# Altium PCB PCB.PcbDoc (part 1 of 2) (continued)
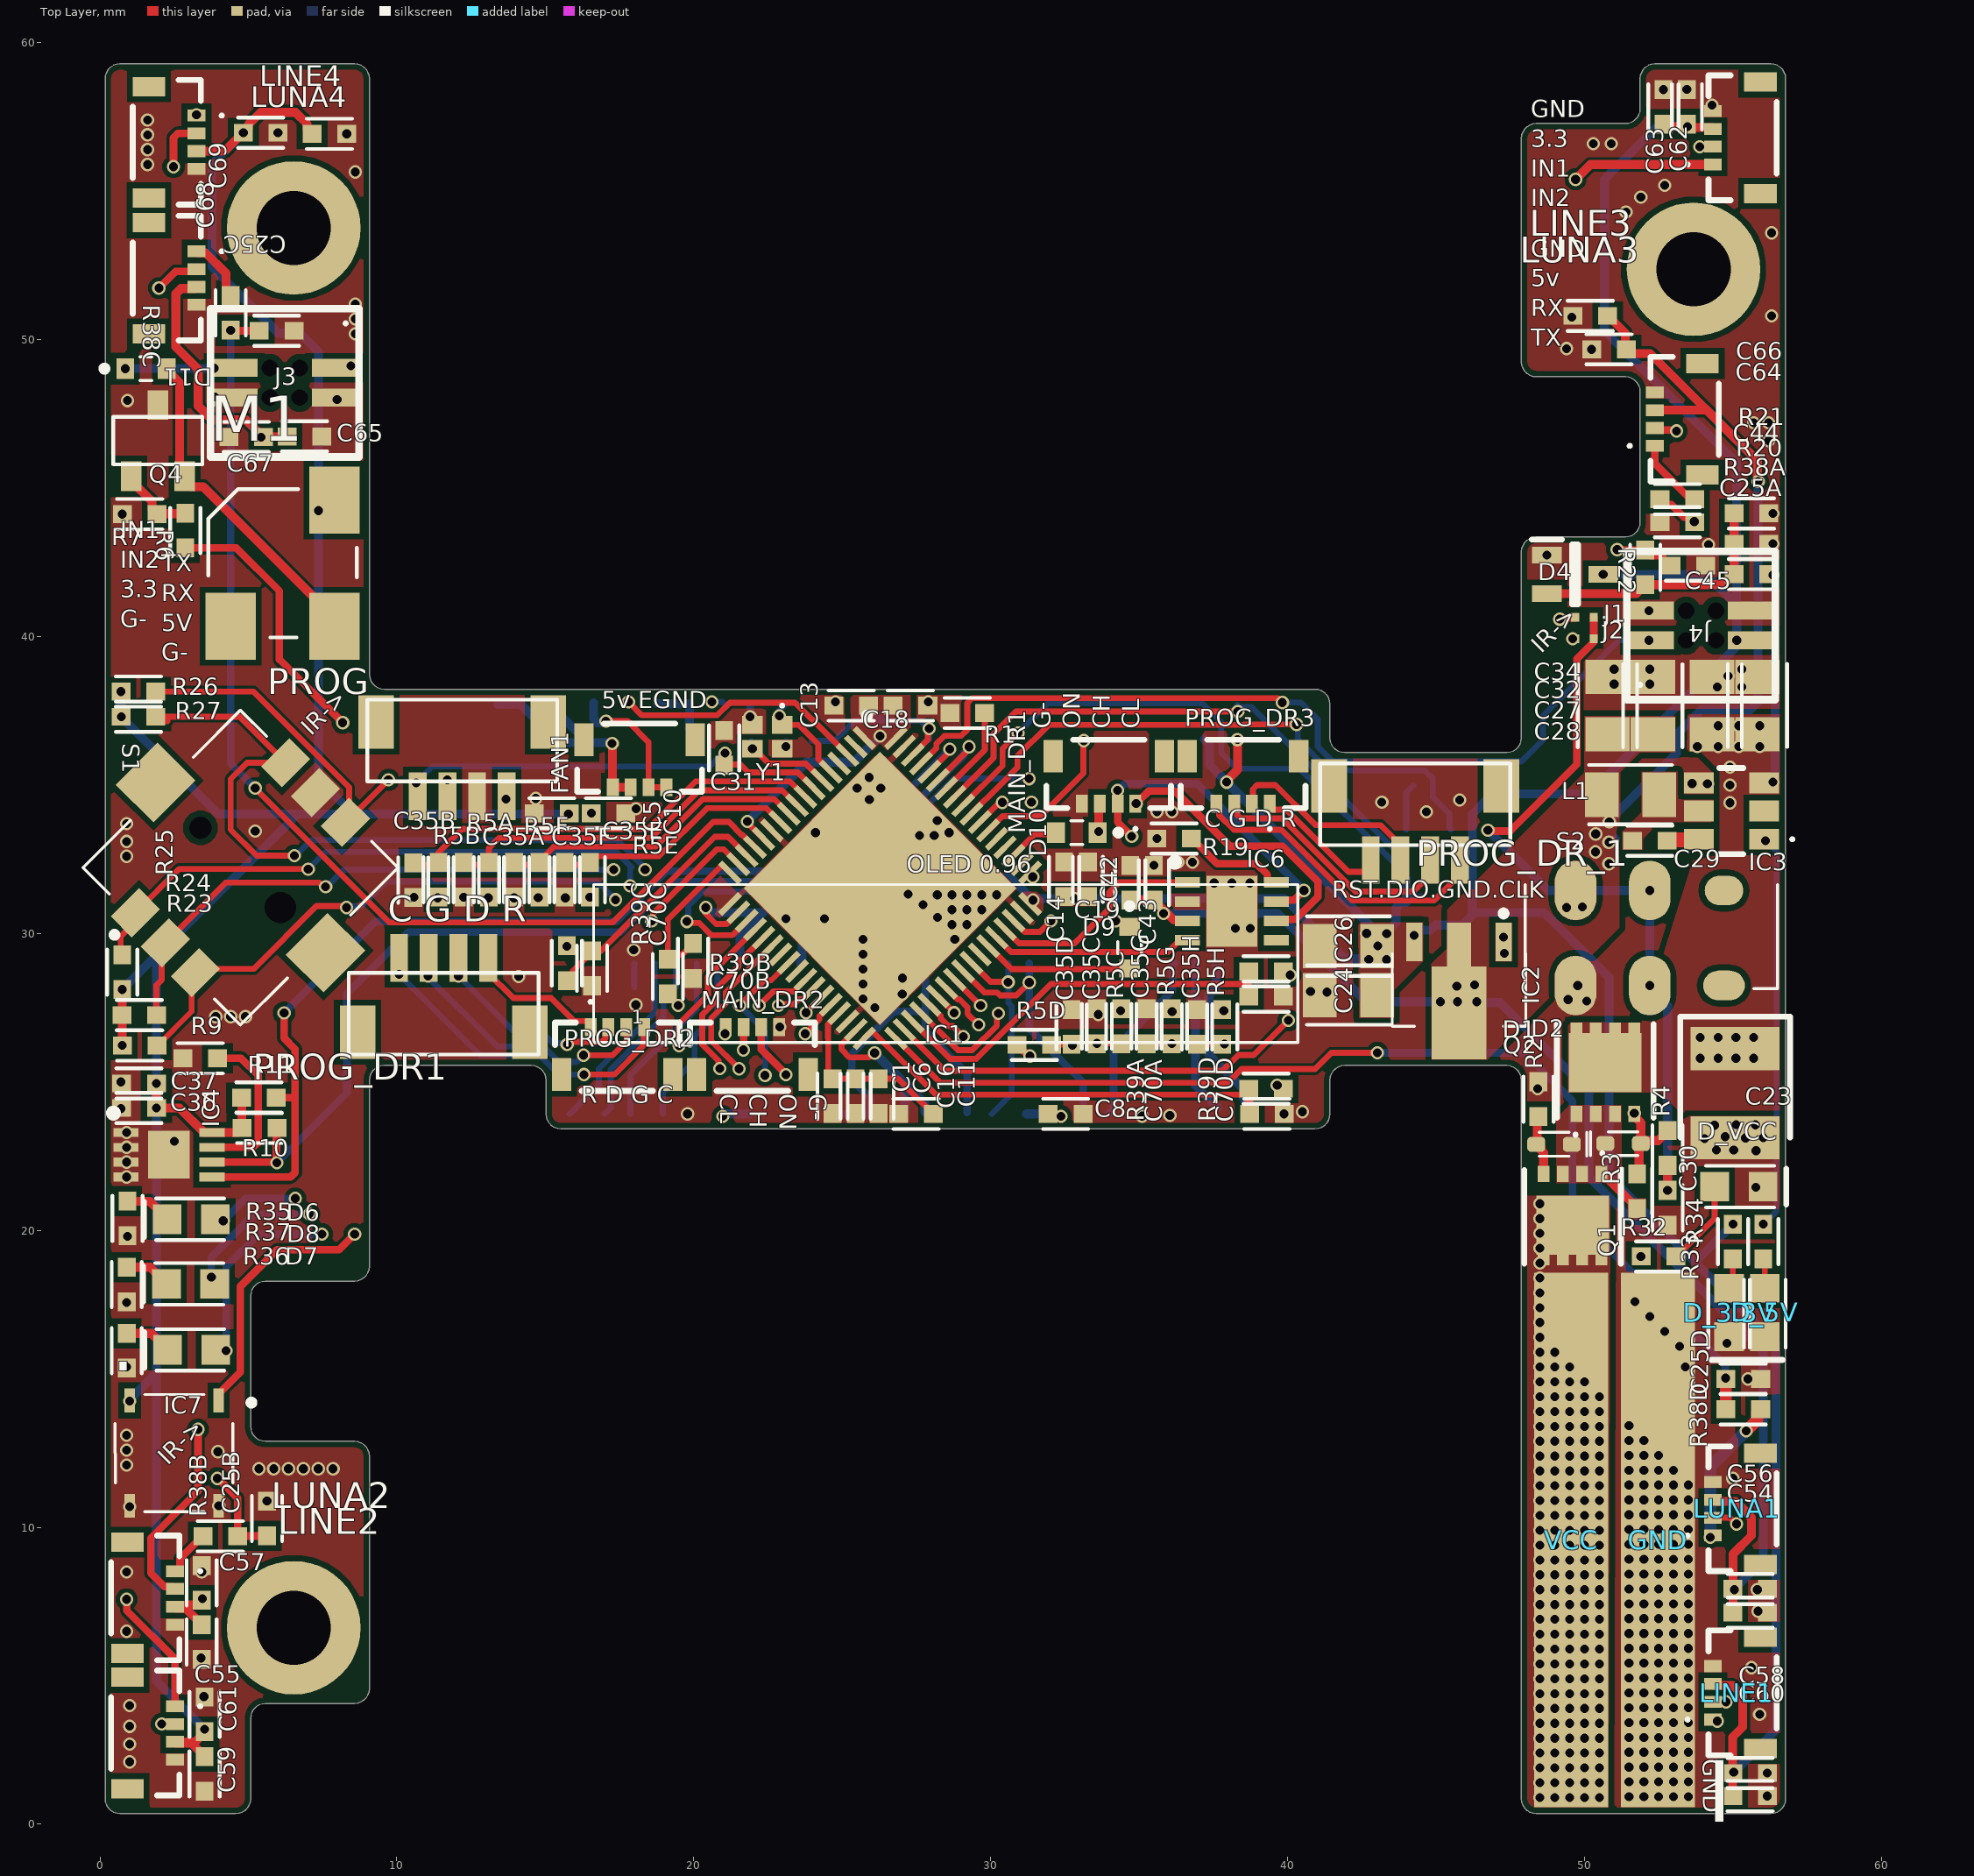
[diagram p0: Top Layer view]
## Components (designator, comment, footprint, x,y, rotation, side; value= is the part's Value field where it differs from the comment) (continued)
D3 "BAS5202VH6327XTSA1" SODFL1608X59N 15.825,37.775 r0 bottom
D4 "BAV199W-7" SOT65P210X110-3N 49.682,42.095 r0 top
D5 "1N4148WT-7" 1N4148WT7 28.5,23.975 r0 bottom
D6 "LED BLUE" "LED 0603 BLUE" 3.075,20.375 r180 top
D7 "LED RED" "LED 0603 RED" 3.088,15.975 r180 top
D8 "LED GREEN" "LED 0603 GREEN" 3.05,18.2 r180 top
D9 "1N4148WT-7" 1N4148WT7 34.675,29.525 r270 top
D10 "1N4148WT-7" 1N4148WT7 32.9,33.4 r180 top
D11 "1N4148WT-7" 1N4148WT7 1.55,49.025 r0 top
D_3.3V "LED GREEN" "LED 0603 GREEN" 54.875,17.237 r270 top
D_5V "LED BLUE" "LED 0603 BLUE" 56.075,17.237 r270 top
D_VCC "LED RED" "LED 0603 RED" 55.2,21.475 r0 top
FAN1 "DF53-4S-0.6H" DF534S06H 18.175,35.85 r180 top locked
GND "banana_plug" "Banana plug 2mm-smol" 52.475,9.575 r0 top
IC1 "STM32H562RIV6" QFN40P800X800X100-69N-D 26.275,31.525 r315 top locked
IC2 "AZ1117CR2-3.3TRG1" AZ1117CR33TRG1 45.775,26.875 r180 top
IC3 "AP63203WU-7" AP63203WU7 54.95,34.125 r90 top
IC4 "AT24C02D-MAHM-E" SON50P300X200X60-9N 2.325,22.55 r0 top
IC5 "LSM6DSV320XTR" LSM6DSV16BXTR 44.75,32.35 r270 bottom
IC6 "TCAN1042VDRBTQ1" SON65P300X300X100-9N-D 38.125,30.75 r0 top
IC7 "TSOP57438TT1" TSOP57438TT1 2.5,12.5 r180 top
J1 "NOPE" ERJ1GNF1000C 50,40.65 r180 top
J2 "NOPE" ERJ1GNF1000C 50,39.925 r180 top
J3 "MLE-102-01-G-DV" "MLE10201GDV - ir receiver" 6.225,48.55 r90 top locked
J4 "MLE-102-01-G-DV" "MLE10201GDV - ir receiver" 53.925,40.375 r270 top
L1 "22uH" "L 0805" 51.55,34.675 r0 top
LINE1 "DF53-4S-0.6H" DF534S06H 55.25,4.425 r90 top
LINE2 "DF53-4S-0.6H" DF534S06H 1.6,3.075 r270 top
LINE3 "DF53-4S-0.6H" DF534S06H 55.25,56.8 r90 top locked
LINE4 "DF53-4S-0.6H" DF534S06H 2.325,56.65 r270 top
LUNA1 "DF53-4S-0.6H" DF534S06H 55.25,10.625 r90 top
LUNA2 "DF53-4S-0.6H" DF534S06H 1.6,7.625 r270 top
LUNA3 "DF53-4S-0.6H" DF534S06H 53.3,47.325 r90 top
LUNA4 "DF53-4S-0.6H" DF534S06H 2.325,52.075 r270 top
M1 "Buzzer" HCT5020A 7.9,40.35 r90 top
MAIN_DR1 "DF53-4S-0.6H" DF534S06H 33.975,35.3 r180 top locked
MAIN_DR2 "DF53-4S-0.6H" DF534S06H 21.975,25.925 r0 top
OLED1 "oled flex 0.96" "oled flex 0.96" 18,29 r0 top locked
PROG "4 PIN" BM04B-SRSS-TB 12.2,36.125 r0 top locked
PROG_DR1 "4 PIN" BM04B-SRSS-TB 11.575,27.675 r180 top locked
PROG_DR2 "DF53-4S-0.6H" DF534S06H 17.425,25.925 r0 top locked (schematic designator PDR1)
PROG_DR3 "DF53-4S-0.6H" DF534S06H 38.5,35.3 r180 top locked (schematic designator PDR2)
PROG_DR_1 "4 PIN" BM04B-SRSS-TB 44.3,33.975 r0 top locked
Q1 "P mos power" dfn33 49.6,20.45 r180 top
Q2 "P mos power" dfn33 50.7,25.375 r0 top
Q3 "Model" SOT23-3 17.825,37.1 r180 bottom
Q4 "Model" SOT23-3 1.95,46.6 r0 top
R1 "10k" "R 0402" 29.216,37.425 r180 top
R2 "10k" "R 0402" 48.45,24.425 r270 top
R3 "47K" "R 0402" 51.775,21.325 r270 top
R4 "10K" "R 0402" 52.8,22.775 r90 top
R5A "1K" "R 0402" 13.1,31.809 r90 top (schematic designator R5)
R5B "1K" "R 0402" 11.4,31.809 r90 top (schematic designator R5)
R5C "1K" "R 0402" 34.4,26.875 r270 top (schematic designator R5)
R5D "1K" "R 0402" 31.475,26.25 r0 top (schematic designator R5)
R5E "1K" "R 0402" 16.5,31.809 r90 top (schematic designator R5)
R5F "1K" "R 0402" 14.8,31.809 r90 top (schematic designator R5)
R5G "1K" "R 0402" 36.1,26.875 r270 top (schematic designator R5)
R5H "1K" "R 0402" 37.8,26.85 r270 top (schematic designator R5)
R6 "470R" "R 0402" 2.875,43.575 r90 top
R7 "10k" "R 0402" 1.334,44.125 r0 top
R9 "10K" "R 0402" 3.375,25.8 r0 top
R10 "4.7K" "R 0402" 5.375,23.45 r180 top
R11 "4.7K" "R 0402" 5.35,24.475 r180 top
R12 "10K" "R 0402" 44.825,34.975 r180 bottom
R15 "4.7K" "R 0402" 38.312,37.113 r270 bottom
R16 "4.7K" "R 0402" 37.2,37.125 r270 bottom
R17 "10K" "R 0402" 20.434,36.9 r180 bottom
R18 "330R" "R 0402" 20.45,37.725 r0 bottom
R19 "10k" "R 0402" 36.175,33.2 r0 top
R20 "91k" "R 0402" 55.625,42.1 r0 top
R21 "10k" "R 0402" 55.625,44.15 r180 top
R22 "1k" "R 0402" 52.046,42.333 r270 top
R23 "10k" "R 0402" 1.334,26.225 r180 top
R24 "10k" "R 0402" 1.325,27.25 r0 top
R25 "10k" "R 0402" 0.75,28.7 r90 top
R26 "10k" "R 0402" 1.291,38.15 r0 top
R27 "10k" "R 0402" 1.3,37.3 r0 top
R28 "4.7K" "R 0402" 26.525,23.925 r0 bottom
R29 "390K" "R 0402" 34.55,23.925 r180 bottom
R30 "4.7K" "R 0402" 32.525,23.925 r180 bottom
R31 "4.7K" "R 0402" 30.625,23.925 r0 bottom
R32 "10k" "R 0402" 52.5,19.125 r180 top
R33 "2.1K" "R 0402" 56.025,19.625 r90 top
R34 "1k" "R 0402" 55,19.625 r90 top
R35 "330R" "R 0402" 0.925,20.4 r90 top
R36 "330R" "R 0402" 0.9,15.95 r90 top
R37 "330R" "R 0402" 0.9,18.175 r90 top
R38A "300R" "R 0402" 53.125,44.625 r180 top (schematic designator R38)
R38B "300R" "R 0402" 4.05,9.7 r0 top (schematic designator R38)
R38C "300R" "R 0402" 4.4,50.9 r270 top (schematic designator R38)
R38D "300R" "R 0402" 55.35,13.975 r180 top (schematic designator R38)
R39A "300R" "R 0402" 39.275,28.725 r180 top (schematic designator R39)
R39B "300R" "R 0402" 19.125,28.55 r90 top (schematic designator R39)
R39C "300R" "R 0402" 15.725,29 r270 top (schematic designator R39)
R39D "300R" "R 0402" 39.275,24.775 r180 top (schematic designator R39)
S1 "SKRHABE010" SKRHABE010 4.731,32.219 r45 top locked
S2 "EG1271A" EG1271 54.7,28.25 r180 top
VCC "banana_plug" "Banana plug 2mm-smol" 49.55,9.575 r0 top
Y1 "US3200005Z" US3200005Z 22.475,36.625 r180 top

## Footprints (in the part's own frame and the unit in brackets; to place one, negate y for a bottom-side part, rotate by r counter-clockwise, add the part's x,y. Pads: shape width x height; smd on the part's side, far side on the other; paste and mask are expansions set on the pad)
1N4148WT7 [mm]
  rect 0.6x0.7 smd: 1(-0.7,0) 2(0.7,0)
  silkscreen extent -1.5,-0.4 0.2,0.4, body extent -0.85,-0.45 0.85,0.45, height 0.5
AP63203WU7 [mm]
  rect 0.7x1 smd: 1(-0.95,-1.099) 2(0,-1.099) 3(0.95,-1.099) 4(0.95,1.099) 5(0,1.099) 6(-0.95,1.099)
  silkscreen extent -1.45,-2.1 1.45,0.4, body extent -1.45,-1.45 1.45,1.45, height 1
AZ1117CR33TRG1 [mm]
  rect 0.55x1.3 smd: 1(-1.5,-2.838) 3(1.5,-2.838)
  rect 0.8x1.475 smd: 2(0,-2.75)
  rect 1.85x3.125 smd: 4(0,-0.45)
  silkscreen extent -2.25,-3.9 2.25,0, body extent -2.2,-3.37 2.2,0.58, height 1.4
"Banana plug 2mm-smol" [mm]
  rect 2.5x18 smd: 1(0,0)
  body extent -1.27,-7.42 1.22,7.07, height 2.5
BM04B-SRSS-TB [mm]
  rect 0.6x1.6 smd: 1(-1.5,-1.5) 2(-0.5,-1.5) 3(0.5,-1.5) 4(1.5,-1.5)
  rect 1.2x1.8 smd: A(-2.9,1) B(2.9,1)
  silkscreen extent -3.2,-1 3.2,1.75, body extent -3,-1.9 3,1.7, height 4.25
"C 0402" [mm] "MLCC Capacitor 0402"
  rect 0.635x0.6 smd: 1(-0.584,0) 2(0.584,0)
  silkscreen extent -0.76,-0.51 0.76,0.51, body extent -0.76,-0.25 0.74,0.25, height 0.35
"C 0603" [mil]
  rect 38x39.37 smd: 1(-32,0) 2(32,0)
  silkscreen extent -43,-28 47,28, body extent -31,-16 31,16, height 24
"C 0805" [mil]
  rect 45x59.06 smd: 1(-38,0) 2(38,0)
  silkscreen extent -55,-39 55,39, body extent -39,-25 39,25, height 49
CAPPC3528X100N [mm]
  rect 1.45x3 smd: 1(-1.5,0) 2(1.5,0)
  silkscreen extent -2.58,-1.85 1.5,1.85, body extent -1.75,-1.4 1.75,1.4, height 1
DF534S06H [mm]
  rect 0.4x0.6 smd: 1(-0.9,0.925) 2(-0.3,0.925) 3(0.3,0.925) 4(0.9,0.925)
  rect 0.65x1.1 smd: 5(-1.875,-0.675) 6(1.875,-0.675)
  silkscreen extent -2.1,-1.22 2.1,1.83, body extent -2.13,-1.22 2.13,1.18, height 1.75
dfn33 [mm]
  rect 0.4x0.55 smd: 1(-0.975,-1.45) 2(-0.325,-1.45) 3(0.325,-1.45) 4(0.975,-1.45)
  rect 0.4x0.4 smd: 5_8(-0.975,1.425) 5_8(-0.325,1.425) 5_8(0.325,1.425) 5_8(0.975,1.425)
  rect 2.45x2 smd: 5_8(0,0.275)
  silkscreen extent -1.63,-2.2 1.63,1.58, body extent -1.6,-1.65 1.6,1.55, height 0.8
EG1271 [mm]
  oval 1.4x1 smd: 1(0,0)
  oval 1.4x2 smd: 2(2.5,0) 3(5,0) 5(2.5,-3.2) 6(5,-3.2)
  oval 1.3x1 smd: 4(0,-3.2)
  silkscreen extent -1.8,-3.4 6.7,0.1, body extent -1.8,-3.35 6.7,0.15, height 9.32
ERJ1GNF1000C [mm]
  rect 0.275x0.3 smd: 1(-0.313,0) 2(0.313,0)
  silkscreen extent -0.7,-0.03 -0.65,0.03, body extent -0.3,-0.15 0.3,0.15, height 0.23
HCT5020A [mm] "Buzzer"
  rect 2.25x1.7 smd paste-2539.97 mask+0.102: 1(0,0) 2(4.25,0) 3(0,3.5)
  silkscreen extent -0.38,-0.75 4.62,4.25, body extent -0.38,-0.75 4.62,4.25, height 2.6
"L 0805" [mil]
  rect 45x59.06 smd: 1(-38,0) 2(38,0)
  silkscreen extent -55,-39 55,39, body extent -39,-25 39,25, height 24
"LED 0603 BLUE" [mil]
  rect 38x39.37 smd: 1(-32,0) 2(32,0)
  silkscreen extent -43,-28 63,28, body extent -31,-16 31,16, height 22
"LED 0603 GREEN" [mil]
  rect 38x39.37 smd: 1(-32,0) 2(32,0)
  silkscreen extent -43,-28 63,28, body extent -31,-16 31,16, height 22
"LED 0603 RED" [mil]
  rect 38x39.37 smd: 1(-32,0) 2(32,0)
  silkscreen extent -43,-28 63,28, body extent -31,-16 31,16, height 22
LSM6DSV16BXTR [mm]
  rect 0.6x0.3 smd: 1(-1.15,0.75) 2(-1.15,0.25) 3(-1.15,-0.25) 4(-1.15,-0.75) 8(1.15,-0.75) 9(1.15,-0.25) 10(1.15,0.25) 11(1.15,0.75)
  rect 0.3x0.6 smd: 5(-0.5,-0.9) 6(0,-0.9) 7(0.5,-0.9) 12(0.5,0.9) 13(0,0.9) 14(-0.5,0.9)
  silkscreen extent -2,0.7 -1.9,0.8, body extent -1.5,-1.25 1.5,1.25, height 0.74
"MLE10201GDV - ir receiver" [mm]
  rect 0.61x1.63 smd: 1(0.5,-1.725) 2(0.5,1.725) 3(-0.5,-1.725) 4(-0.5,1.725)
  round 0.28 hole 0.56 unplated: 5(0.5,-0.5) 6(0.5,0.5) 7(-0.5,-0.5) 8(-0.5,0.5)
  silkscreen extent -2.5,-2.5 2.5,2.5, body extent -1,-2.32 1.2,2, height 3.3
"oled flex 0.96" [mm]
  rect 0.4x2 smd far side mask+0.15: 1(0,0) 2(0.7,0) 3(1.4,0) 4(2.1,0) 5(2.8,0) 6(3.5,0) 7(4.2,0) 8(4.9,0) 9(5.6,0) 10(6.3,0) 11(7,0) 12(7.7,0) 13(9.1,0) 14(9.8,0) 15(10.5,0) 16(11.2,0) 17(11.9,0) 18(12.6,0) 19(13.3,0) 20(14,0) 21(14.7,0) 22(15.4,0) 23(16.1,0) 24(16.8,0) 25(17.5,0) 26(18.2,0) 27(18.9,0) 28(19.6,0) 29(20.3,0) 30(21,0) ""(8.4,0)
  silkscreen extent -1.38,-2.68 22.35,2.65, body extent -2.02,-5.32 22.58,15.73, height 2.7
QFN40P800X800X100-69N-D [mm]
  rect 0.95x0.2 smd: 1(-3.95,3.2) 2(-3.95,2.8) 3(-3.95,2.4) 4(-3.95,2) 5(-3.95,1.6) 6(-3.95,1.2) 7(-3.95,0.8) 8(-3.95,0.4) 9(-3.95,0) 10(-3.95,-0.4) 11(-3.95,-0.8) 12(-3.95,-1.2) 13(-3.95,-1.6) 14(-3.95,-2) 15(-3.95,-2.4) 16(-3.95,-2.8) 17(-3.95,-3.2) 35(3.95,-3.2) 36(3.95,-2.8) 37(3.95,-2.4) 38(3.95,-2) 39(3.95,-1.6) 40(3.95,-1.2) 41(3.95,-0.8) 42(3.95,-0.4) 43(3.95,0) 44(3.95,0.4) 45(3.95,0.8) 46(3.95,1.2) 47(3.95,1.6) 48(3.95,2) 49(3.95,2.4) 50(3.95,2.8) 51(3.95,3.2)
  rect 0.2x0.95 smd: 18(-3.2,-3.95) 19(-2.8,-3.95) 20(-2.4,-3.95) 21(-2,-3.95) 22(-1.6,-3.95) 23(-1.2,-3.95) 24(-0.8,-3.95) 25(-0.4,-3.95) 26(0,-3.95) 27(0.4,-3.95) 28(0.8,-3.95) 29(1.2,-3.95) 30(1.6,-3.95) 31(2,-3.95) 32(2.4,-3.95) 33(2.8,-3.95) 34(3.2,-3.95) 52(3.2,3.95) 53(2.8,3.95) 54(2.4,3.95) 55(2,3.95) 56(1.6,3.95) 57(1.2,3.95) 58(0.8,3.95) 59(0.4,3.95) 60(0,3.95) 61(-0.4,3.95) 62(-0.8,3.95) 63(-1.2,3.95) 64(-1.6,3.95) 65(-2,3.95) 66(-2.4,3.95) 67(-2.8,3.95) 68(-3.2,3.95)
  rect 6.5x6.5 smd: 69(0,0)
  silkscreen extent -4.52,3.7 -4.33,3.9, body extent -4.05,-4.05 4.05,4.05, height 1
"R 0402" [mm] "0402 resistor Chip"
  rect 0.635x0.6 smd: 1(-0.584,0) 2(0.584,0)
  silkscreen extent -0.76,-0.51 0.76,0.51, body extent -0.5,-0.25 0.5,0.25, height 0.31
SKRHABE010 [mm]
  rect 1.35x1 smd: 1(-3.575,1.425) 2(-3.575,0) 3(-3.575,-1.425) 4(3.575,1.425) 5(3.575,0) 6(3.575,-1.425)
  rect 2x1.8 smd: 7(0,4.05) 8(0,-4.05)
  round 0.375 hole 0.75 unplated: GB1(0,1.9)
  round 0.525 hole 1.05 unplated: GB2(0,-1.9)
  silkscreen extent -4.7,-3.75 3.75,3.75, body extent -3.75,-3.75 3.75,3.75, height 5.02
SOD523 [mm]
  rrect50% 0.6x0.5 smd mask+0.05: 1(-0.6,0) 2(0.6,0)
  silkscreen extent -0.5,-0.4 1.1,0.4, body extent -0.91,-0.55 0.91,0.55, height 0.61
SODFL1608X59N [mm]
  rect 0.55x0.42 smd: 1(-0.8,0) 2(0.8,0)
  silkscreen extent -1.07,-0.4 0.6,0.4, body extent -0.8,-0.4 0.8,0.4, height 0.59
SON50P300X200X60-9N [mm]
  rect 0.85x0.3 smd: 1(-1.45,0.75) 2(-1.45,0.25) 3(-1.45,-0.25) 4(-1.45,-0.75) 5(1.45,-0.75) 6(1.45,-0.25) 7(1.45,0.25) 8(1.45,0.75)
  rect 1.4x1.6 smd: 9(0,0)
  silkscreen extent -2,1.28 -1.75,1.52, body extent -1.55,-1 1.55,1, height 0.6
SON65P300X300X100-9N-D [mm]
  rect 0.85x0.35 smd: 1(-1.5,0.975) 2(-1.5,0.325) 3(-1.5,-0.325) 4(-1.5,-0.975) 5(1.5,-0.975) 6(1.5,-0.325) 7(1.5,0.325) 8(1.5,0.975)
  rect 1.7x2.4 smd: 9(0,0)
  silkscreen extent -2.05,1.53 -1.8,1.77, body extent -1.55,-1.5 1.55,1.5, height 1
SOT23-3 [mm]
  rect 0.7x1 smd: 1(-0.9,-1.2) 2(0.9,-1.2) 3(0,1.2)
  silkscreen extent -1.5,-0.8 1.5,0.8, body extent -1.5,-1.25 1.5,1.25, height 1.1
SOT65P210X110-3N [mm]
  rect 1x0.55 smd: 1(-0.95,0.65) 2(-0.95,-0.65) 3(0.95,0)
  silkscreen extent -1.45,-1 0.1,1.17, body extent -1.05,-1 1.05,1, height 1.1
TSOP57438TT1 [mm]
  rect 0.35x0.8 smd: 1(-1.5,-1.775) 5(1.5,-1.775) 6(1.5,1.775) 8(-1.5,1.775)
  silkscreen extent -2.7,-1.97 2,1.97, body extent -1.97,-1.97 1.97,1.97, height 0.9
US3200005Z [mm]
  rect 0.7x0.6 smd: 1(-0.5,-0.4) 2(0.5,-0.4) 3(0.5,0.4) 4(-0.5,0.4)
  silkscreen extent -0.55,-1.1 -0.45,-1, body extent -0.8,-0.6 0.8,0.6, height 0.35

## Part data
C1 C2 C5 C6 C7 C8 C10 C11 C12 C13 C14 C16 C17 C18 C19 C21 C22 C24 C25A C25B C25C C25D C26 C27 C28 C29 C30 C31 C32 C34 C35A C35B C35C C35D C35E C35F C35G C35H C36 C37 C38 C39 C40 C41 C42 C43 C44 C45 C46 C47 C48 C49 C50 C52 C53 C54 C55 C56 C57 C58 C59 C60 C61 C62 C63 C64 C65 C66 C67 C68 C69 C70A C70B C70C C70D: library part Capacitor, "MLCC Capacitor"
C23: library part TL8B0336M020C, "Capacitor Polarised", Manufacturer_Name=Vishay, Mouser Part Number=74-TL8B0336M020C, Datasheet Link=https://componentsearchengine.com/Datasheets/2/TL8B0336M020C.pdf, Height=1mm, Manufacturer_Part_Number=TL8B0336M020C, Mouser Price/Stock=https://www.mouser.com/Search/Refine.aspx?Keyword=74-TL8B0336M020C
D1 D2: library part BZX585, "Zener Diode sod523"
D3: "Schottky Diode", Manufacturer_Name=Infineon, Mouser Part Number=726-BAS5202VH6327XTS, Arrow Part Number=BAS5202VH6327XTSA1, Arrow Price/Stock=https://www.arrow.com/en/products/bas5202vh6327xtsa1/infineon-technologies-ag?region=nac, Datasheet Link=https://www.infineon.com/dgdl/Infineon-BAS52SERIES-DS-v01_01-en.pdf?fileId=db3a30432d9b3066012dbc006764413f, Height=0.59mm, Manufacturer_Part_Number=BAS5202VH6327XTSA1, Mouser Price/Stock=https://www.mouser.co.uk/ProductDetail/Infineon-Technologies/BAS5202VH6327XTSA1?qs=K00xGehIljufuNhwzhyNvA%3D%3D
D4: "Diode", Manufacturer_Name="Diodes Incorporated", Mouser Part Number=621-BAV199W-7, Arrow Part Number=BAV199W-7, Arrow Price/Stock=https://www.arrow.com/en/products/bav199w-7/diodes-incorporated?utm_currency=USD&region=europe, Datasheet Link=https://www.diodes.com//assets/Datasheets/ds30462.pdf, Height=1.1mm, Manufacturer_Part_Number=BAV199W-7, Mouser Price/Stock=https://www.mouser.co.uk/ProductDetail/Diodes-Incorporated/BAV199W-7?qs=rGAXPo9uwV1rE3JSBcdiXg%3D%3D
D5 D9 D10 D11: "Diode", Manufacturer_Name="Diodes Inc.", Mouser Part Number=621-1N4148WT, Arrow Part Number=1N4148WT-7, Arrow Price/Stock=https://www.arrow.com/en/products/1n4148wt-7/diodes-incorporated?region=nac, Datasheet Link=https://datasheet.datasheetarchive.com/originals/distributors/Datasheets-305/73268.pdf, Height=0mm, Manufacturer_Part_Number=1N4148WT-7, Mouser Price/Stock=https://www.mouser.co.uk/ProductDetail/Diodes-Incorporated/1N4148WT-7?qs=FITO%2F%2FQgYDlMYETivVNccQ%3D%3D
FAN1 LINE1 LINE2 LINE3 LINE4 LUNA1 LUNA2 LUNA3 LUNA4 MAIN_DR1 MAIN_DR2 PROG_DR2 PROG_DR3: "Connector", Manufacturer_Name=Hirose, Mouser Part Number=798-DF53-4S-0.6H, Datasheet Link=https://www.mouser.com/datasheet/3/339/1/MN_ToggleSections_DP.pdf, Height=1.65mm, Manufacturer_Part_Number=DF53-4S-0.6H, Mouser Price/Stock=https://www.mouser.co.uk/ProductDetail/Hirose-Connector/DF53-4S-0.6H?qs=wT7LY0lnAe3EZ%2FSBt8i8pg%3D%3D
GND VCC: "banana plug for high current scenarios"
IC1: "Integrated Circuit", Manufacturer_Name=STMicroelectronics, Mouser Part Number=511-STM32H562RIV6, Datasheet Link=https://www.st.com/resource/en/datasheet/stm32h562ag.pdf, Height=1mm, Manufacturer_Part_Number=STM32H562RIV6, Mouser Price/Stock=https://www.mouser.co.uk/ProductDetail/STMicroelectronics/STM32H562RIV6?qs=amGC7iS6iy8R%2FTU6LJUskw%3D%3D
IC2: "Integrated Circuit", Manufacturer_Name="Diodes Incorporated", Mouser Part Number=621-AZ1117CR2-3.3TRG, Arrow Part Number=AZ1117CR2-3.3TRG1, Arrow Price/Stock=https://www.arrow.com/en/products/az1117cr2-3.3trg1/diodes-incorporated?region=nac, Datasheet Link=https://www.diodes.com//assets/Datasheets/AZ1117C.pdf, Height=2mm, Manufacturer_Part_Number=AZ1117CR2-3.3TRG1, Mouser Price/Stock=https://www.mouser.co.uk/ProductDetail/Diodes-Incorporated/AZ1117CR2-3.3TRG1?qs=5V6w%252Be2aIqYfcUw02pVLDg%3D%3D
IC3: "Integrated Circuit", Manufacturer_Name="Diodes Incorporated", Mouser Part Number=621-AP63203WU-7, Arrow Part Number=AP63203WU-7, Arrow Price/Stock=https://www.arrow.com/en/products/ap63203wu-7/diodes-incorporated?utm_currency=USD&region=europe, Datasheet Link=https://www.diodes.com/assets/Datasheets/AP63200-AP63201-AP63203-AP63205.pdf, Height=1mm, Manufacturer_Part_Number=AP63203WU-7, Mouser Price/Stock=https://www.mouser.co.uk/ProductDetail/Diodes-Incorporated/AP63203WU-7?qs=u16ybLDytRZ1JqxbuLkMJw%3D%3D
IC4: "Integrated Circuit", Manufacturer_Name=Microchip, Mouser Part Number=579-AT24C02D-MAHM-E, Arrow Part Number=AT24C02D-MAHM-E, Arrow Price/Stock=https://www.arrow.com/en/products/at24c02d-mahm-e/microchip-technology?utm_currency=USD&region=nac, Datasheet Link=https://componentsearchengine.com/Datasheets/1/AT24C02D-MAHM-E.pdf, Height=0.6mm, Manufacturer_Part_Number=AT24C02D-MAHM-E, Mouser Price/Stock=https://www.mouser.co.uk/ProductDetail/Microchip-Technology/AT24C02D-MAHM-E?qs=CM3LqkkxGd7QnJRv2iJ8hQ%3D%3D
IC5: "Integrated Circuit", Manufacturer_Name=STMicroelectronics, Mouser Part Number=511-LSM6DSV320XTR, Arrow Part Number=LSM6DSV320XTR, Arrow Price/Stock=https://www.arrow.com/en/products/lsm6dsv320xtr/stmicroelectronics?utm_currency=USD&region=nac, Datasheet Link=https://www.st.com/resource/en/datasheet/lsm6dsv320x.pdf, Height=0.74mm, Manufacturer_Part_Number=LSM6DSV320XTR, Mouser Price/Stock=https://www.mouser.co.uk/ProductDetail/STMicroelectronics/LSM6DSV320XTR?qs=ZcfC38r4PovtVvaAitDAYA%3D%3D
IC6: "Integrated Circuit", Manufacturer_Name="Texas Instruments", Mouser Part Number=595-TCAN1042VDRBTQ1, Arrow Part Number=TCAN1042VDRBTQ1, Arrow Price/Stock=https://www.arrow.com/en/products/tcan1042vdrbtq1/texas-instruments?region=nac, Datasheet Link=http://www.ti.com/lit/gpn/tcan1042v-q1, Height=1mm, Manufacturer_Part_Number=TCAN1042VDRBTQ1, Mouser Price/Stock=https://www.mouser.co.uk/ProductDetail/Texas-Instruments/TCAN1042VDRBTQ1?qs=HXFqYaX1Q2wv7WXgCzMaig%3D%3D
IC7: "Integrated Circuit", Manufacturer_Name=Vishay, Mouser Part Number=78-TSOP57438TT1, Arrow Part Number=TSOP57438TT1, Arrow Price/Stock=https://www.arrow.com/en/products/tsop57438tt1/vishay?region=nac, Datasheet Link=http://www.vishay.com/docs/82434/tsop572.pdf, Height=0.8mm, Manufacturer_Part_Number=TSOP57438TT1, Mouser Price/Stock=https://www.mouser.co.uk/ProductDetail/Vishay-Semiconductors/TSOP57438TT1?qs=irVir877As%252B0kVjtr547ig%3D%3D
J1 J2: library part CLP-102-02-LM-D-BE-TR, "Connector", Manufacturer_Name=SAMTEC, Datasheet Link=http://suddendocs.samtec.com/prints/erm8-xxx-xx.x-xxx-dv-xxxx-xx-mkt.pdf, Manufacturer_Part_Number=CLP-102-02-LM-D-BE-TR
J3 J4: "Connector", Manufacturer_Name=SAMTEC, Mouser Part Number=200-MLE10201GDV, Arrow Part Number=MLE-102-01-G-DV, Arrow Price/Stock=https://www.arrow.com/en/products/mle-102-01-g-dv/samtec?region=nac, Datasheet Link=https://suddendocs.samtec.com/prints/mle-1xx-xx-x-dv-x-x-xx-mkt.pdf, Height=3.43mm, Manufacturer_Part_Number=MLE-102-01-G-DV, Mouser Price/Stock=https://www.mouser.co.uk/ProductDetail/Samtec/MLE-102-01-G-DV?qs=rU5fayqh%252BE2cyeeus1X4ww%3D%3D
L1: library part Inductor, "General pourpouse inductor"
M1: library part HCT5020A
Q3 Q4: library part "N Mosfet", "General Pourpouse Mosfet"
R1 R2 R3 R4 R5A R5B R5C R5D R5E R5F R5G R5H R6 R7 R9 R10 R11 R12 R15 R16 R17 R18 R19 R20 R21 R22 R23 R24 R25 R26 R27 R28 R29 R30 R31 R32 R33 R34 R35 R36 R37 R38A R38B R38C R38D R39A R39B R39C R39D: library part Resistor, "General pourpouse resistor"
S1: "Switch", Manufacturer_Name="ALPS Electric", Mouser Part Number=688-SKRHAB, Arrow Part Number=SKRHABE010, Arrow Price/Stock=https://www.arrow.com/en/products/skrhabe010/alps-electric, Height=5mm, Manufacturer_Part_Number=SKRHABE010, Mouser Price/Stock=https://www.mouser.co.uk/ProductDetail/Alps-Alpine/SKRHABE010?qs=seHrhfPpLDxEOwRqoDvYHw%3D%3D
S2: "Switch", Manufacturer_Name=E-Switch, Mouser Part Number=612-EG1271A, Datasheet Link=https://configured-product-images.s3.amazonaws.com/2D/specs/EG1271A.pdf, Manufacturer_Part_Number=EG1271A, Mouser Price/Stock=https://www.mouser.co.uk/ProductDetail/E-Switch/EG1271A?qs=YXf4ACKMM4zsVCD8YMVB7w%3D%3D
Y1: "Crystal or Oscillator", Manufacturer_Name="Diodes Incorporated", Mouser Part Number=729-US3200005Z, Arrow Part Number=US3200005Z, Arrow Price/Stock=https://www.arrow.com/en/products/us3200005z/diodes-incorporated?region=nac, Datasheet Link=https://www.digikey.com/en/products/detail/diodes-incorporated/US3200005Z/6049201, Height=0.4mm, Manufacturer_Part_Number=US3200005Z, Mouser Price/Stock=https://www.mouser.co.uk/ProductDetail/Diodes-Incorporated/US3200005Z?qs=ZrPdAQfJ6DNKaEa1UhmxSg%3D%3D

## Free pads (board coordinates)
  round 4.5 hole 2.5 mask+0.25: 1(6.525,6.619) 1(6.525,53.764) 1(53.675,52.37)

## Via types
v1: diameter 0.45, hole 0.3, Top Layer to Bottom Layer, tented both sides, 658 vias
v2: diameter 0.6, hole 0.3, Top Layer to Bottom Layer, tented both sides, 1 vias
v3: diameter 0.5, hole 0.3, Top Layer to Bottom Layer, tented both sides, 1 vias

## Nets (pads, with @x,y where several pads share a name; then routed paths per layer and width w, separated by ;. In a path a pad name is that pad's centre, name@x,y a point inside that pad or via, vN(x,y) a via of type N, cw(c..) or ccw(c..) an arc to the next point about the centre after c; other vN are vias at no path point)
3.3v: C5.1 C8.1 C10.1 C13.1 C14.1 C18.1 C19.1 C24.1 C26.1 C36.1 C37.1 C38.1 C39.1 C52.1 C53.1 C58.1 C59.1 C60.1 C61.1 C62.1 C63.1 C68.1 C69.1 D4.3 D5.1 D11.1 IC1.1 IC1.13 IC1.19 IC1.33 IC1.51 IC1.68 IC2.3 IC4.8 IC5.5 IC5.8 IC5.10 IC5.11 IC5.12 IC7.5 J3.2 J4.2 LINE1.3 LINE2.3 LINE3.3 LINE4.3 M1.2 OLED1.6 OLED1.9 OLED1.11 R10.2 R11.2 R15.2 R16.2 R23.2 R24.1 R25.1 R26.1 R27.1 R28.2 R30.2 R31.2 R34.2 | length 298.9
  Top Layer w0.2: v1@20.382,30.692 20.75,30.325 21.115,30.325 IC1.19@21.502,30.712 ; v1(21.804,33.773) 21.804,33.734 IC1.13@22.351,33.187 ; IC1.33@25.462,26.752 24.975,26.265 24.975,26.1 25.248,25.827 25.889,25.827 26.036,25.975 v1(26.091,25.975)
  Top Layer w0.3: v1(0.745,26.23) 0.745,27.245 R24.1@0.741,27.25 0.745,27.255 0.745,28.111 v1(0.75,28.116) ; v1(1.9,24.95) v1(1.9,24.125) 2.675,24.125 3.5,23.3 IC4.8@3.775,23.3 4.641,23.3 R10.2@4.791,23.45 4.778,23.462 4.778,24.462 R11.2@4.766,24.475 R11.2@4.748,24.475 ; LINE4.3@3.25,56.35 4.189,56.35 4.81,56.971 v1(4.828,56.971) 4.845,56.971 4.995,57.121 4.995,57.239 5.414,57.658 6.584,57.658 6.974,57.267 6.974,57.083 7.124,56.933 C68.1@7.142,56.933 ; C59.1@3.525,2.275 3.525,2.292 3.092,2.725 2.575,2.725 LINE2.3@2.525,2.775 3.202,2.775 C61.1@3.525,3.098 ; C8.1@31.941,23.925 31.992,23.874 32.338,23.874 v1(32.367,23.845) ; v1(37.95,35.098) 37.95,35.151 38.312,35.513 v1(38.312,36.529) ; C63.1@52.657,57.255 52.74,57.173 C62.1@53.45,57.173 ; C62.1@53.45,57.26 C62.1@53.475,57.235 ; v1(53.475,57.175) C62.1@53.475,57.235 ; LINE1.3@54.325,4.725 54.375,4.675 54.988,4.675 55.331,4.332 55.331,3.274 54.991,2.933 C60.1@54.991,0.925 ; LINE3.3@54.325,57.1 54.275,57.15 53.56,57.15 C62.1@53.475,57.235
  MiddleTop Layer w0.3: v1(26.091,25.975) 28.22,23.845 v1(32.367,23.845) 34.297,25.775 40.85,25.775 43.334,28.259 v1(43.334,29.118)
  MiddleBottom Layer w0.3: v1(3.845,49.039) 5.567,47.317 7.355,45.528 v2(7.355,44.245) ; 15.804,33.752 16.006,33.55 17.05,33.55 ; v1(16.55,34.05) 17.05,33.55 ; v1@20.409,30.866 20.745,30.53 20.745,28.138 19.682,27.075 19.643,27.075 19,26.432 19,25.82 v1(20.975,23.845) ; v1@21.775,33.773 21.553,33.55 17.05,33.55 ; v1(21.804,33.773) 22.631,34.6 23.756,34.6 26.531,31.825 30.725,31.825 v1(31.425,31.125)
  Bottom Layer w0.3: v1(0.707,38.15) 0.711,38.145 0.711,37.305 v1(0.716,37.3) 3.991,34.025 6.85,34.025 ; v1(0.75,28.116) 1.9,29.266 ; v1@0.862,49.013 v1(0.85,49.025) 0.857,49.032 3.838,49.032 v1(3.845,49.039) ; v1(1,14.25) 1,14.291 1.3,14.591 1.3,14.6 1.9,15.2 ; v1(3.525,3.2) 1.9,4.825 1.9,15.2 ; v1(4.828,56.971) 3.775,55.918 3.775,52.45 6.005,50.22 6.73,50.22 7.355,49.595 v2(7.355,44.245) 7.355,35.195 8.525,34.025 ; 6.629,33.995 1.9,29.266 ; 6.88,34.025 8.525,34.025 ; v1(15.775,34.025) 8.525,34.025 ; v1(20.4,30.875) 20.441,30.875 20.611,30.704 22.351,30.704 ; v1(20.975,23.845) 21.055,23.925 C53.1@21.841,23.925 ; OLED1.6@21.5,29 21.55,29.05 21.55,29.904 22.351,30.704 ; v1(21.804,33.773) 23.806,35.775 25.4,35.775 v1(26.275,36.65) ; OLED1.9@23.6,29 23.65,29.05 23.65,30.606 24.107,31.063 ; OLED1.11@25,29 25,29.55 25.025,29.575 24.978,29.622 24.978,30.378 25.663,31.063 ; v1(26.091,25.975) 27.109,24.956 ; R28.2@27.109,23.925 27.109,24.956 ; D5.1@27.8,23.975 27.777,23.998 27.777,24.289 27.109,24.956 ; R31.2@31.209,23.925 R30.2@31.941,23.925 31.992,23.874 32.338,23.874 v1(32.367,23.845) ; R16.2@37.2,36.541 37.373,36.368 37.373,35.675 v1(37.95,35.098) 42.998,30.05 ; v1(42.662,30.004) 42.703,30.004 42.749,30.05 42.998,30.05 ; v1(42.736,29.129) 42.707,29.158 41.917,29.158 39.9,31.175 v1(32.825,31.175) 31.581,31.175 31.56,31.154 31.454,31.154 v1(31.425,31.125) 30.65,31.9 26.5,31.9 25.663,31.063 ; v1(43.341,29.994) 43.288,29.994 43.232,30.05 42.998,30.05 ; v1@43.341,30.05 43.357,30.05 43.416,30.11 43.416,30.125 43.654,30.363 43.654,30.874 43.83,31.05 44,31.05 IC5.11@44,31.2 ; IC5.12@43.85,31.85 44,31.85 IC5.11@44,31.2 ; v1(44.263,29.937) 44.303,29.937 44.483,30.117 44.808,30.117 44.976,30.284 45.782,30.284 45.833,30.234 46.227,30.627 46.227,30.7 ; IC5.10@44.5,31.2 IC5.11@44,31.2 ; IC5.5@45.65,32.85 46.227,32.85 ; v1(50.632,42.095) 54.095,42.095 55.125,41.066 ; v1(53.475,57.175) 52.443,57.175 50.675,55.407 50.675,50.3 55.125,45.85 55.125,41.066 ; v1(55,20.209) 53.778,18.988 53.662,18.988 ; v1(55.025,1.75) 56.448,3.173 56.448,16.202 53.662,18.988 ; 55.101,39.646 50.155,34.7 46.9,34.7 46.227,34.027 46.227,32.85 ; v1(55.13,39.875) 55.13,41.061 55.125,41.066 ; 1.9,15.2 v1(1.9,24.125) 1.9,24.909 1.859,24.95 v1(1.9,24.95) 1.9,29.266 ; 22.351,30.704 22.71,31.063 24.107,31.063 ; 24.107,31.063 25.663,31.063 ; 46.227,30.7 48.65,30.7 50.825,28.525 50.825,21.825 53.662,18.988 ; 46.227,30.7 46.227,32.85
  other v1: 43.036,29.579
5v: C32.1 C34.1 C40.1 C41.1 C42.1 C43.1 C54.1 C55.1 C56.1 C57.1 C64.1 C65.1 C66.1 C67.1 D3.1 FAN1.3 FAN1.4 IC2.2 IC2.4 IC3.1 IC6.3 L1.1 LUNA1.3 LUNA2.3 LUNA3.3 LUNA4.3 R33.2 | length 194.9
  Top Layer w0.3: LUNA4.3@3.25,51.775 3.2,51.725 2.734,51.725 2.558,51.549 2.558,49.752 3.308,49.003 3.308,47.769 3.777,47.299 4.917,47.299 C67.1@5.492,46.725 ; C57.1@3.275,7.392 2.98,7.392 2.963,7.375 2.575,7.375 LUNA2.3@2.525,7.325 2.575,7.275 2.875,7.275 3.257,6.893 3.275,6.893 3.425,6.743 C55.1@3.425,6.725 ; v3(5.429,46.71) 5.494,46.71 5.517,46.733 6.3,46.733 C65.1@6.308,46.741 ; v1(17.25,36.4) 17.263,36.388 17.263,34.937 FAN1.4@17.275,34.925 FAN1.3@17.875,34.925 ; C42.1@34.7,31.125 C43.1@35.5,31.125 35.5,31.107 35.796,30.811 35.796,30.704 v1(35.825,30.675) ; v1@35.875,30.75 36.175,30.45 36.6,30.45 IC6.3@36.625,30.425 ; C66.1@50.784,50.8 50.802,50.8 51.376,50.226 51.376,49.708 C64.1@51.409,49.675 51.551,49.533 52.217,49.533 55.821,45.929 55.821,45.254 v1(55.85,45.225) ; LUNA3.3@52.375,47.625 54.1,47.625 ; LUNA1.3@54.325,10.925 54.375,10.875 55.097,10.875 55.578,10.394 55.578,10.367 55.623,10.322 55.623,9.723 55,9.1 C56.1@55,7.925 C54.1@55,7.125 ; C56.1@55.025,7.9 v1(55.05,7.9)
  MiddleTop Layer w0.3: v1(3.45,7.6) 4.6,8.75 4.6,12.85 3.25,14.2 3.25,21.67 8.955,27.375 14.444,27.375 19.478,32.409 33.391,32.409 ; v1(31.375,34.425) 33.391,32.409 ; v1(35.825,30.675) 34.091,32.409 33.391,32.409
  MiddleBottom Layer w0.3: v3(5.429,46.71) 6.35,45.789 6.35,40 9.95,36.4 v1(17.25,36.4) 20.668,36.4 21.068,36.8 25.075,36.8 26.375,35.5 30.3,35.5 v1(31.375,34.425) ; v1(50.825,33.075) 50.85,33.1 56.075,33.1 v1(56.1,33.125)
  Bottom Layer w0.2: v1(56.025,20.209) 56.475,20.659 56.475,32.75 v1(56.1,33.125)
  Bottom Layer w0.3: C41.1@13.4,37.709 C40.1@14.2,37.709 14.2,37.692 15.463,36.429 16.418,36.429 ; D3.1@15.025,37.775 15.09,37.775 15.784,37.081 15.784,37.063 16.418,36.429 ; v1(17.25,36.4) 17.221,36.429 16.418,36.429 ; v1(35.825,30.675) 39.675,30.675 42.65,27.7 v1(45.15,27.7) ; v1(46.375,27.7) 46.404,27.671 47.154,27.671 50.15,24.675 50.15,21.8 56.025,15.925 56.025,8.9 55.05,7.925 v1(55.05,7.9) ; v1(50.825,33.075) 50.854,33.104 50.97,33.104 51.041,33.175 ; v1(50.837,33.761) 50.837,33.801 53.1,36.064 53.1,36.701 53.943,37.543 55.592,37.543 55.85,37.801 v1(55.85,45.225)
  other v1: 45.725,27.7 45.7,28.225 46.3,28.275 50.825,32.35 50.375,32.75 50.381,33.351
_CAN_H: IC6.7 MAIN_DR1.2 MAIN_DR2.2 | length 29.5
  Top Layer w0.254: v1(21.675,26.077) MAIN_DR2.2@21.675,26.85 ; v1(34.275,34.819) 34.275,33.75 v1(34.75,33.275) ; IC6.7@39.625,31.075 39.673,31.123 40.223,31.123 v1(40.55,31.45)
  MiddleBottom Layer w0.254: v1(21.675,26.077) 21.728,26.077 22.08,25.725 25.15,25.725 25.377,25.498 29.623,25.498 33.679,29.554 33.679,30.564 34.75,31.635 v1(34.75,33.275)
  Bottom Layer w0.254: v1(34.275,34.819) 34.29,34.819 34.522,35.05 36.95,35.05 v1(40.55,31.45)
_CAN_L: IC6.6 MAIN_DR1.1 MAIN_DR2.1 | length 29.5
  Top Layer w0.254: v1(34.9,34.375) 34.9,34.5 34.948,34.548 35.073,34.548 35.325,34.8 36.2,34.8 38.057,32.943 39.838,32.943 41.027,31.754 41.027,31.236 40.264,30.473 39.673,30.473 IC6.6@39.625,30.425
  MiddleBottom Layer w0.254: v1(21.05,26.624) 22.021,26.624 22.547,26.098 25.152,26.098 25.506,26.452 27.392,26.452 27.791,26.053 29.677,26.053 33.325,29.701 33.325,30.711 34.225,31.61 34.225,33.7 v1(34.9,34.375)
ADCIN1: C35H.1 IC1.21 R5H.2 | length 26.3
  Top Layer w0.2: v1(19.5,26.225) 19.5,26.964 20.475,27.939 20.475,28.271 ; 20.476,28.271 20.476,28.554 IC1.21@22.068,30.146 ; C35H.1@36.975,26.291 C35H.1@36.95,26.266 R5H.2@37.8,26.266 37.809,26.275 v1(37.875,26.275)
  MiddleBottom Layer w0.2: v1(19.5,26.225) 19.5,26.189 21.791,23.898 31.722,23.898 33.005,25.18 36.78,25.18 v1(37.875,26.275)
ADCIN2: C35G.1 IC1.22 R5G.2 | length 23
  Top Layer w0.2: v1(20.875,25.45) 20.827,25.498 20.827,25.722 20.288,26.262 20.288,27.27 20.775,27.757 20.775,28.146 21.5,28.871 21.5,29.013 IC1.22@22.351,29.863 ; C35G.1@35.25,26.291 v1(36.1,26.291)
  MiddleBottom Layer w0.2: v1(20.875,25.45) 22.127,24.198 31.598,24.198 32.88,25.48 35.29,25.48 v1(36.1,26.291)
ADCIN3: C35F.1 IC1.10 R5F.2 | length 10.4
  Top Layer w0.2: C35F.1@13.95,32.309 14.796,32.309 14.8,32.309 R5F.2@14.796,32.313 ; R5F.2@14.8,32.393 15,32.593 15,32.644 15.279,32.923 18.704,32.923 20.304,34.523 22.712,34.523 IC1.10@23.199,34.035
ADCIN4: C35E.1 IC1.11 R5E.2 | length 8.3
  Top Layer w0.2: C35E.1@15.65,32.309 16.5,32.309 R5E.2@16.535,32.344 ; R5E.2@16.5,32.393 16.5,32.4 16.7,32.6 18.825,32.6 20.448,34.223 22.446,34.223 IC1.11@22.916,33.752
ADCIN5: C35D.1 IC1.25 R5D.2 | length 16.8
  Top Layer w0.2: v1(21.55,27.575) 21.55,27.593 22.382,28.425 22.609,28.425 IC1.25@23.199,29.015 ; R5D.2@32.059,26.25 32.075,26.266 C35D.1@32.725,26.266 32.75,26.241 v1(32.75,26.23)
  MiddleBottom Layer w0.2: v1(22.4,25.225) 22.827,24.798 31.348,24.798 32.75,26.2 v1(32.75,26.23)
  Bottom Layer w0.2: v1(21.55,27.575) 22.4,26.725 v1(22.4,25.225)
ADCIN6: C35C.1 IC1.23 R5C.2 | length 19.2
  Top Layer w0.2: v1(21.525,25.444) 21.525,25.449 20.588,26.386 20.588,27.146 21.075,27.633 21.075,28.022 IC1.23@22.633,29.58 ; C35C.1@33.8,26.3 R5C.2@34.4,26.3
  MiddleBottom Layer w0.2: v1(21.525,25.444) 22.471,24.498 31.472,24.498 32.724,25.75 32.726,25.75 32.756,25.78 33.055,25.78 v1(33.575,26.3)
ADCIN7: C35B.1 IC1.8 R5B.2 | length 14.8
  Top Layer w0.2: C35B.1@10.55,32.318 10.558,32.309 11.4,32.309 11.4,32.725 12.2,33.525 18.458,33.525 20.056,35.123 23.243,35.123 IC1.8@23.765,34.601
ADCIN8: C35A.1 IC1.9 R5A.2 | length 12.8
  Top Layer w0.2: C35A.1@12.25,32.309 13.1,32.309 13.1,32.875 13.448,33.223 18.58,33.223 20.18,34.823 22.977,34.823 IC1.9@23.482,34.318
BOOT0: IC1.62 R1.1 | length 3.1
  Top Layer w0.2: IC1.62@28.502,34.884 29.8,36.181 R1.1@29.8,37.425
BUZZ_PWM: IC1.58 R6.1 | length 34.8
  Top Layer w0.2: IC1.58@29.634,33.752 30.251,34.37 30.345,34.37 v1(30.393,34.418)
  Top Layer w0.254: R6.1@2.875,42.991 4.584,42.991 6.044,41.531 6.044,39.231 v1(8.175,37.1)
  MiddleBottom Layer w0.2: v1(8.175,37.1) 8.755,37.1 10.23,35.625 24.139,35.625 26.989,32.775 28.75,32.775 v1(30.393,34.418)
CAN_RX_MCU: IC1.47 IC6.4 | length 6.8
  Top Layer w0.2: IC1.47@30.199,29.863 30.688,29.375 35.975,29.375 36.375,29.775 IC6.4@36.625,29.775
CAN_TX_MCU: IC1.48 IC6.1 | length 7.5
  Top Layer w0.2: IC1.48@30.482,30.146 30.953,29.675 32.828,29.675 33.996,30.843 33.996,31.387 34.334,31.725 IC6.1@36.625,31.725
CLK1: C21.1 IC1.5 Y1.1 | length 3.1
  Top Layer w0.2: Y1.1@23,37.025 23.549,37.025 24.199,36.374 24.199,35.863 IC1.5@24.613,35.449
  Bottom Layer w0.2: v1(22.879,37.327) 22.879,37.5 22.858,37.5 23.058,37.7 C21.1@23.075,37.7